# Allegro board 9823-layout.brd (continued)
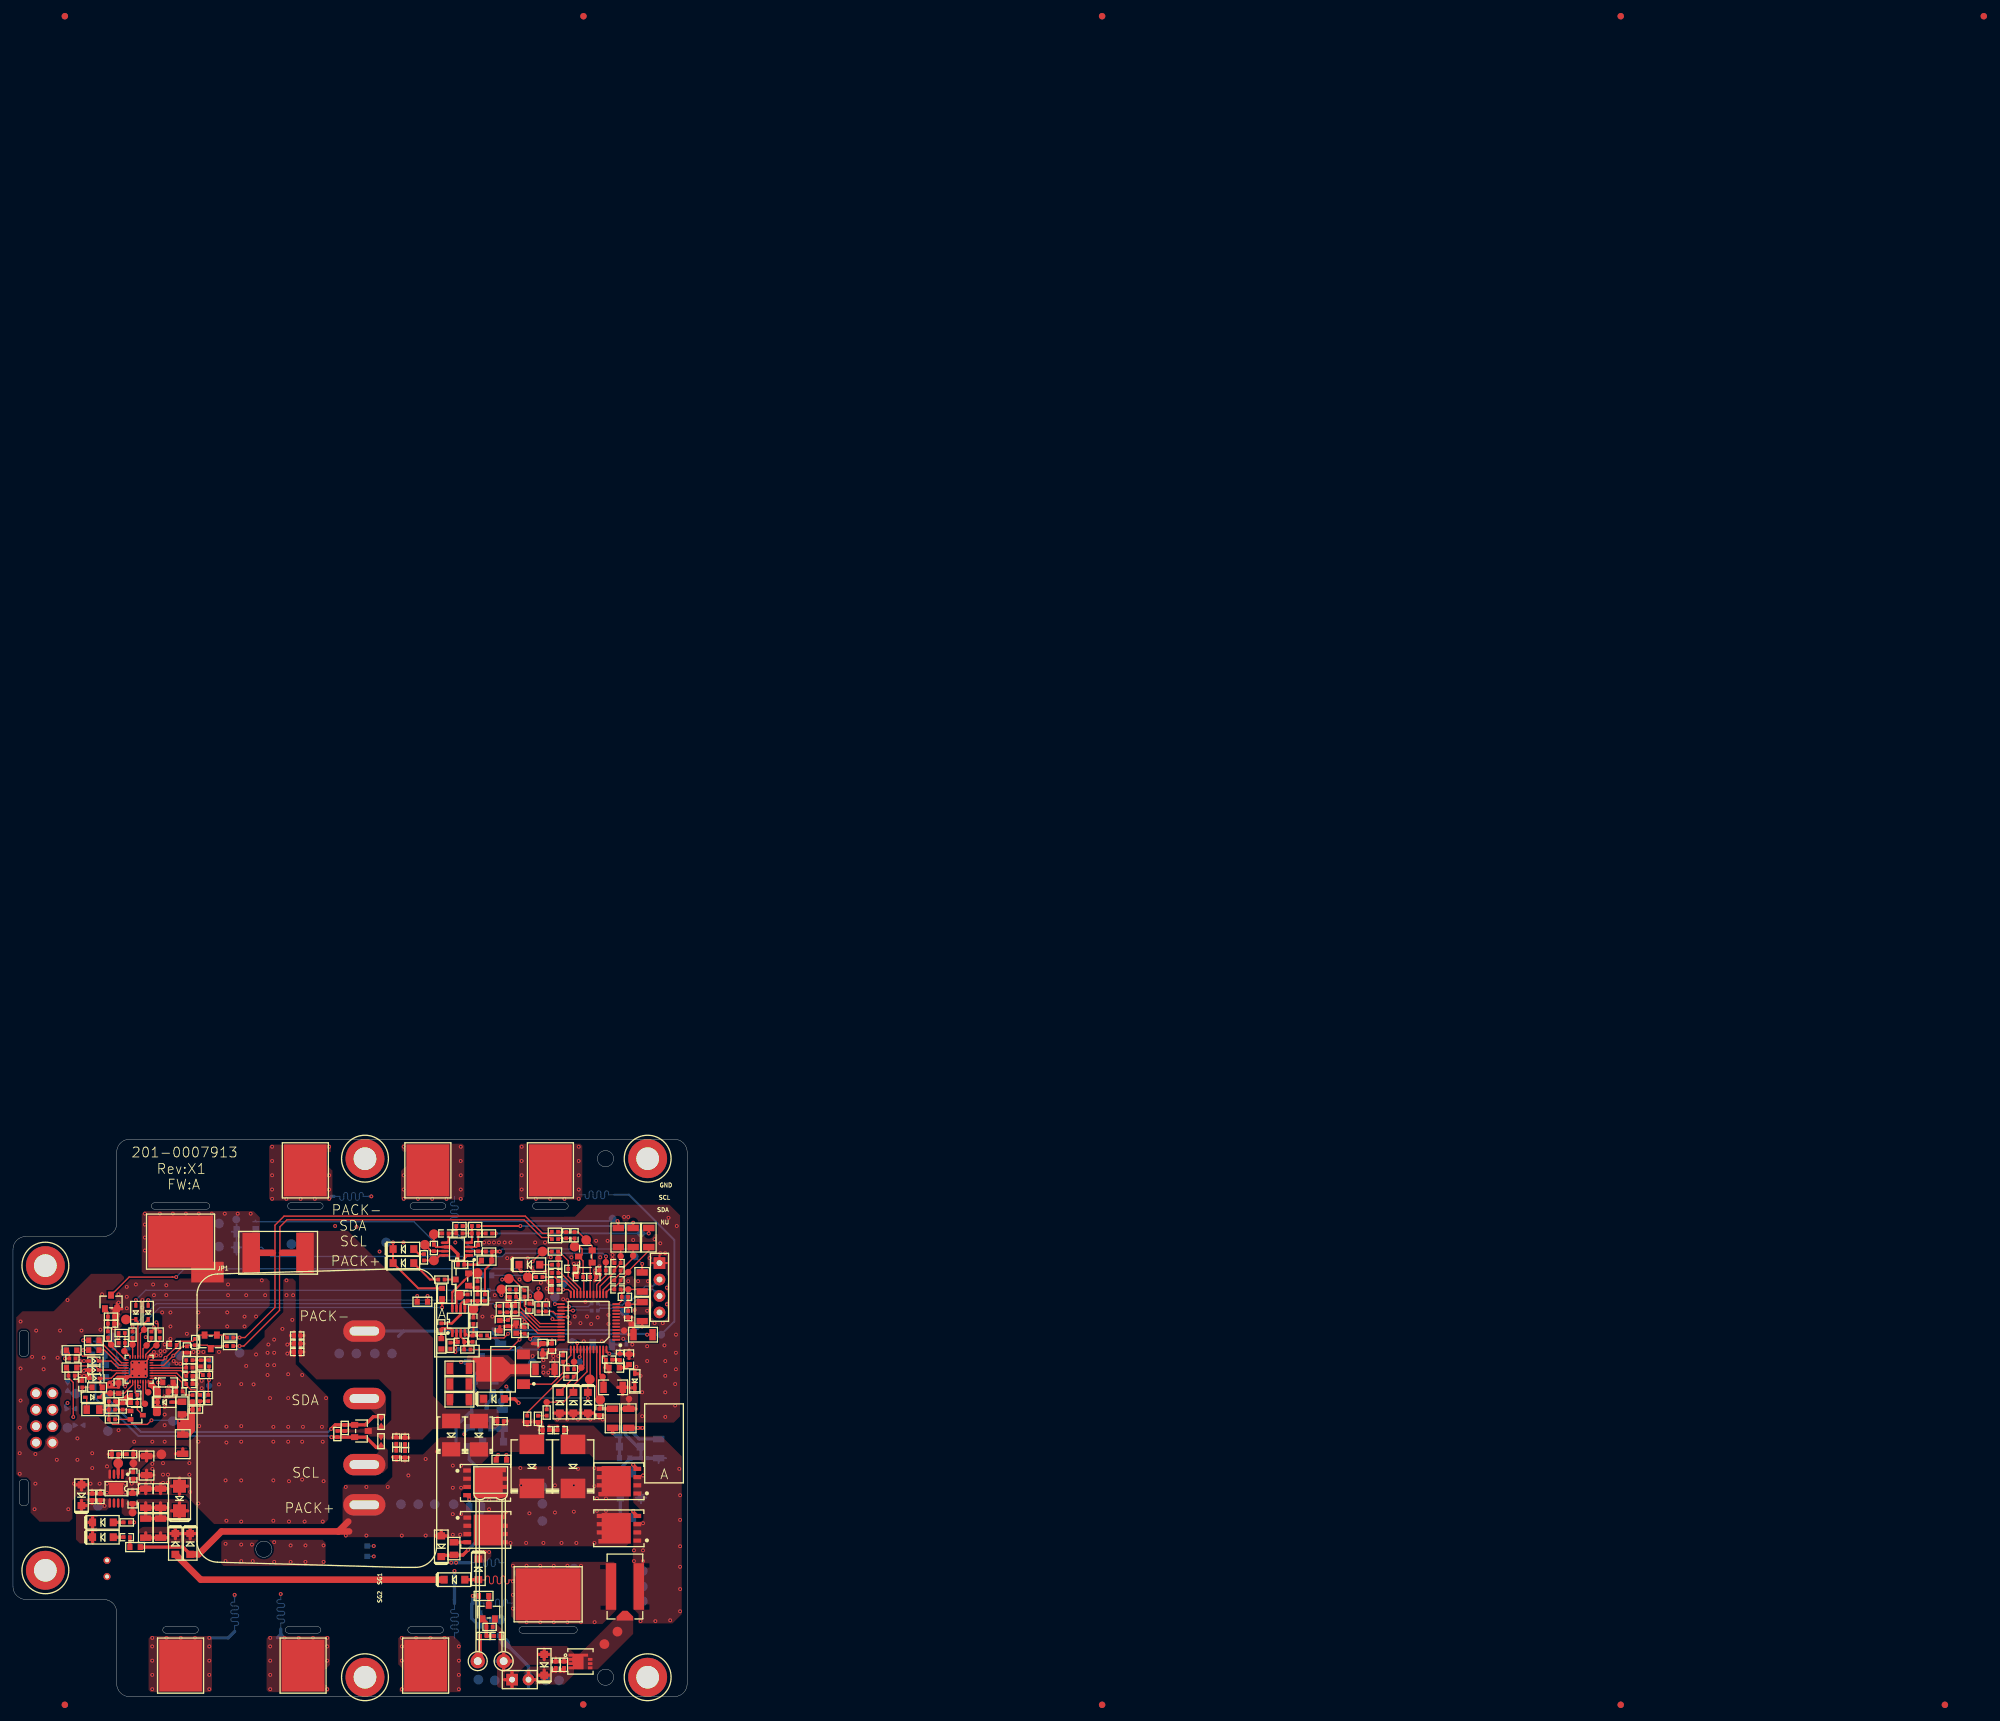
[diagram p0: board, top side]
## Routing (per net, layer and track width the routed paths; a pad name or vN(x,y) marks a point on that pad's centre or on a via; arc(x,y) is an arc through that point) (continued)
CHG_CTRL: length 11.4
  TOP w0.2: U1.45 90.04,46.35 TA7.1
  TOP w0.5: R86.2 91.31,44.42 91.3,44.42 C76.1 90.58,44.55 TA7.1
DSG_CTRL: length 24.1
  TOP w0.2: v1(88.68,46.07) D6.K 88.68,48.66 TA8.1 89.04,49.02 U1.43
  BOTTOM w0.2: 75.35,45.57 75.85,46.07 v1(88.68,46.07)
  BOTTOM w0.5: C79.1 75.35,45.57 TA33.1 75.35,45.55 75.35,44.41 R89.2
MCU_CHG_CTRL: length 54.9
  TOP w0.2: D50.A v1(18.95,61.18)
  BOTTOM w0.2: R31.2 20.48,62.71 v1(18.95,61.18)
MCU_DSG_CTRL: length 52.5
  TOP w0.2: D51.A v1(20.86,61.18)
  BOTTOM w0.2: v1(20.86,61.18) 72.29,61.18 R28.2
PACK+: length 64.3
  TOP w0.5: 79.33,41.85 R2.2 ; R2.2 79.88,42.39 ; R2.2 78.77,42.39 ; C59.2 81.71,41.67 ; C59.2 81.17,41.12 ; C59.2 81.71,40.56 ; D27.A 66.07,25.61 ; D27.A 65.22,24.81 ; D27.A 66.92,24.81 ; 76.24,42.51 R29.2 75.7,41.96 ; 60.47,36.37 C60.1 ; C60.1 59.92,36.91 ; C60.1 61.03,36.91 ; 80.43,42.39 R1.2 ; R1.2 81.53,42.39 ; R1.2 80.98,41.85 ; R118.1 26.22,23.08 D42.A ; 58.57,36.97 C61.1 ; C61.1 59.68,36.97 ; C61.1 59.13,36.43
  TOP w1: D42.A 28.63,21.96 32.16,25.49 50.2,25.49 ; 50.2,25.49 51.72,27.02 ; 50.2,25.49 51.85,25.49
  BOTTOM w0.5: R61.2 72.68,51.12 Q12.S 71.16,49.6 D20.A 71.16,46.71 R62.2 70.75,46.3 R70.2 70.4,43.8 68.36,41.75 68.36,38.96 ; 68.36,38.58 68.36,38.96 ; 68.36,38.96 67.72,38.32
  vias: v1(51.34,32.35) v1(51.34,24.86) v1(54.51,32.35) v1(54.51,24.86) v1(57.82,32.35) v1(59.97,24.86) v1(60.99,34.13) v1(63.66,36.67) v1(63.66,24.86) v1(65.44,37.81) v1(67.85,35.65) v1(67.85,32.23) v1(67.85,28.16) v1(67.85,24.99) v1(68.99,24.99) v1(69.12,35.65) v1(69.12,32.23) v1(69.12,28.16)
PBI: length 26.6
  TOP w0.2: U5.1 22.64,49.11 23.11,48.65 C84.2 v1(22.38,48.48)
  TOP w0.5: R111.1 v1(18.7,26.89)
  L3 w0.2: v1(18.7,26.89) 22.38,30.57 v1(22.38,48.48)
REG1: length 8.6
  TOP w0.2: U1.35 80.17,55.56 v1(79.79,55.18) 78.97,56 C14.1 78.86,56.06 C13.1
  BOTTOM w0.5: v1(79.79,55.18) 80.14,54.83 TP3.1
REG2: length 11.9
  TOP w0.2: C17.1 76.29,58.04 C18.1 76.37,58.11 76.87,58.61 78.42,58.61 79.02,58.01 ; 79.02,58.01 80.97,56.06 U1.34 ; 79.02,58.01 v1(78.9,57.88)
  BOTTOM w0.3: v1(78.9,57.88) TP4.1
REGIN: length 6.2
  TOP w0.2: 81.7,54.47 C9.1
  TOP w0.3: 81,53.85 C9.1
  TOP w0.5: 82.6,54.47 C10.1 ; C10.1 83.15,55.01 ; C10.1 83.15,54.47 C9.1 80.11,54.47
  BOTTOM w0.5: v1(80.17,52.55) 80.17,52.55 TP99.1
RS1_PIN1: length 116.1
  TOP w0.2: R130.1 v1(34.96,55.41) 35.78,55.41 40.42,60.04 40.42,68.15 40.09,68.48 40.42,68.8 40.42,72.74 41.81,74.14 79.02,74.14 81.69,71.47 82.85,71.47 R59.1
  TOP w0.3: TP57.1 v1(64.93,70.2) C74.2 65.25,69.38 U3.6
  TOP w0.5: C72.2 68.63,68.27 67.52,69.38 U3.6 ; C78.1 65.05,71.47 TP57.1
  TOP w1: RS1.2 40.09,68.48
  BOTTOM w0.2: 37.37,73.5 37.59,73.27 ; 37.59,73.27 61.85,73.27 v1(64.93,70.2) ; 37.59,73.27 36.99,73.27
  BOTTOM w0.3: 34.5,70.6 R58.1 ; R58.1 34.5,72.85 ; R58.1 35.25,71.72 ; R58.1 33.75,71.72 ; R56.1 34.5,70.44 ; R56.1 35.25,69.31 ; R56.1 34.5,68.18 ; R56.1 33.75,69.31
  BOTTOM w0.5: v1(34.96,55.41) TP85.1
  vias: v1(20.35,74.52) v1(20.35,72.83) v1(20.35,70.83) v1(20.35,68.83) v1(22.67,74.52) v1(24.67,74.52) v1(26.67,74.52) v1(28.67,74.52) v1(30.67,74.52) v1(32.67,74.52) v1(34.67,74.52) v1(36.67,74.52)
RS1_PIN2: length 97.8
  TOP w0.2: R60.1 82.87,70.83 81.56,70.83 78.84,73.56 42.26,73.56 41.18,72.48 41.18,68.8 41.5,68.48 41.12,68.09 41.12,59.6 35.61,54.09 v1(34.96,54.09) R131.1
  TOP w0.3: 51.73,40.97 R47.1 51.73,41.23
  TOP w0.5: C64.2 61.03,39.96 ; C64.2 59.92,39.96 ; C64.2 60.47,40.5 ; C65.2 59.68,39.99 ; C65.2 58.57,39.99 ; C65.2 59.13,40.53 ; 44.33,53.92 C100.1 ; C100.1 44.87,54.47 ; C100.1 44.33,55.03 ; 44.33,55.17 C101.1 ; C101.1 44.33,56.27 ; C101.1 44.87,55.72 ; 74.19,42.51 R29.1 ; R29.1 74.73,43.06 ; R29.1 74.73,41.96 ; 44.33,52.63 C106.1 ; C106.1 44.33,53.73 ; C106.1 44.87,53.18 ; R45.1 51.14,41.01 R47.1
  TOP w1: RS1.1 41.5,68.48
  BOTTOM w0.5: 57.56,56.4 60.27,56.4 ; 60.27,56.4 71.16,56.4 D31.A ; 60.27,56.4 59.47,55.59 ; TP86.1 v1(34.96,54.09)
SCL_BQ769142: length 102
  TOP w0.2: R132.1 22.38,56.59 22.38,57.5 v1(22.13,57.75)
  L3 w0.2: v1(22.13,57.75) 22.26,57.75 23.02,58.51 33.81,58.51 49.18,73.88 75.47,73.88 86.01,63.34 98.71,63.34 J2.2
  BOTTOM w0.2: J2.2 98.71,63.34 97.57,63.34 95.56,61.33 TP98.1 94.79,61.2 94.01,60.42 90.49,60.42 R40.2
SDA_BQ769142: length 102.1
  TOP w0.2: v1(21.75,56.99) 21.75,56.71 R133.1
  L3 w0.2: v1(21.75,56.99) 22.26,56.99 23.24,57.98 34.04,57.98 49.4,73.34 75.25,73.34 85.88,62.71 98.84,62.71 J2.3
  BOTTOM w0.2: J2.3 98.71,62.83 97.83,62.83 TP97.1 93.83,59.91 90.57,59.91 R38.2
SMBC: length 50.4
  TOP w0.5: v1(49.12,40.03) 49.12,40.04 R45.2 D15.K2 54.45,40.04 56.04,38.45 56.55,38.45
  BOTTOM w0.3: v1(49.12,40.03) 48.93,40.23 19.33,40.23 15.48,44.08 TP73.1 12.73,46 12.73,48.78 R121.1
SMBD: length 49.3
  TOP w0.5: 56.8,43.15 56.75,43.2 55.58,43.2 54.32,41.94 D15.K1 R47.2 49.71,41.94 v1(49.08,41.3)
  BOTTOM w0.3: v1(49.08,41.3) 48.62,40.84 19.73,40.84 14.95,45.62 14.92,45.62 TP74.1 13.62,46.92 13.62,48.76 R123.1
VCELL+: length 2.1
  TOP w0.5: D39.A D2.A
WAKEUP_AFE: length 66.3
  TOP w0.2: v1(78.39,65.63) 78.06,65.96 D17.K ; Q19.D 17.92,64.74 24.58,64.74 24.58,64.74 v1(25.18,64.74)
  BOTTOM w0.2: v1(25.18,64.74) 26.45,66.01 78.01,66.01 v1(78.39,65.63)
N26278: length 1.3
  TOP w0.2: R1.1 R3.2
N26282: length 9
  TOP w0.2: R2.1 79.33,43.83 84.87,49.37 R4.2
N26506: length 13.3
  TOP w0.2: U1.42 88.54,50.13 86.45,48.03 D3.K 84.93,45.43 TA4.1 R3.1
N26510: length 8.1
  TOP w0.2: D4.K 84.36,47.08 86.49,49.22 R4.1 87.66,50.54 TA5.1 88.04,51.15 U1.41
N26518: length 36.2
  TOP w0.5: v1(97.09,41.47) v1(96.39,41.47) R7.1
  L3 w0.5: v1(96.39,41.47) 96.24,41.62 91.44,41.62 73.36,23.54 73.36,23.38 ; v1(71.53,22.32) 72.29,22.32 73.36,23.38 ; 73.36,23.38 73.36,22.4 v1(73.44,22.32)
  vias: v1(72.17,22.32) v1(72.8,22.32)
N26522: length 11.9
  TOP w0.3: U1.47 91.04,52.42 C3.1
  TOP w0.5: R7.2 94.98,45.17 ; R7.2 96.11,44.42 ; R7.2 93.86,44.42 ; 95.41,47.65 D5.K ; D5.K 95.92,47.03 ; D5.K 95.92,48.27 ; 94.04,46.6 C1.1 ; C1.1 93.29,47.72 ; C1.1 94.79,47.72 ; C2.1 91.46,51.25 C3.1 ; C2.1 91.29,50.77 ; C2.1 91.94,50.07
N26558: length 6.1
  TOP w0.3: C1.2 91.09,49.2 TA2.1 90.54,49.75 U1.46
N26710: length 1.7
  TOP w0.5: 95.03,51.24 94.56,50.77 C2.2
N26714: length 1.2
  TOP w0.5: C5.1 93.57,52 C3.2
N26932: length 3.1
  TOP w0.2: R9.2 TA11.1 U1.38
N27190: length 2
  TOP w0.2: v1(87.41,52.42) 87.54,52.55 U1.40
  BOTTOM w0.5: TA9.1 v1(87.41,52.42)
N27202: length 11
  TOP w0.2: Q1.B 83.07,48.21 84.87,50.01 R11.2 85.06,51.68 86.04,52.66 U1.37
N27560: length 4.6
  TOP w0.5: 95.71,56.97 R21.2 94.96,55.85 ; 94.35,58.54 C31.1 ; C31.1 94.9,58 ; C31.1 95.45,58.54
  BOTTOM w0.3: C15.2 94.62,54.73 v1(94.14,55.21)
N27850: length 5.1
  TOP w0.2: v1(91.98,52.93) 91.54,53.36 U1.48
  BOTTOM w0.3: R15.2 C15.1 93.65,52.95 TA6.1 v1(91.98,52.93)
N28356: length 11.3
  TOP w0.2: R19.1 C21.2 v1(76.87,59.3) R20.2 78.37,59.3 81.1,56.56 U1.33
  BOTTOM w0.3: v1(76.87,59.3) TA14.1
N28912: length 8.5
  TOP w0.2: R25.2 78.9,60.29 79.51,59.68 C25.1 79.66,59.21 81.3,57.56 U1.31
N28920: length 17.7
  TOP w0.2: v1(75.47,64.36) 75.6,64.48 TP7.1 77.09,64.48 78.89,62.68 R25.1 ; NTC4.2 v1(63.95,61.82)
  L3 w0.2: v1(63.95,61.82) 66.49,64.36 v1(75.47,64.36)
N29078: length 6.5
  TOP w0.2: U1.11 94.39,60.06 TA20.1 ; TA20.1 C34.1 ; TA20.1 96.73,60.55 R26.2 ; TA20.1 94.9,60.52 C31.2
N29246: length 12.6
  TOP w0.2: v1(83.22,58.26) 83.41,58.06 U1.30
  BOTTOM w0.2: R28.1 73.56,61.18 TA16.1 80.55,61.18 83.22,58.51 v1(83.22,58.26)
N29258:
  vias: v1(78.47,84.84) v1(78.47,82.64) v1(78.47,80.44) v1(78.47,78.24) v1(78.47,76.8) v1(80.67,76.8) v1(82.87,76.8) v1(85.07,76.8) v1(87.27,84.84) v1(87.27,82.64) v1(87.27,80.44) v1(87.27,78.24) v1(87.27,76.8)
N29414:
  vias: v1(59.98,9.07) v1(59.98,7.76) v1(59.98,5.56) v1(59.98,1.16) v1(62.18,9.07) v1(64.38,9.07) v1(66.58,9.07) v1(68.78,7.76) v1(68.78,5.56) v1(68.78,3.36) v1(68.78,1.16)
N29510: length 14.9
  TOP w0.2: U1.29 v1(85.58,58.56)
  BOTTOM w0.2: v1(85.58,58.56) TA17.1 83.93,58.56 79.79,62.71 R31.1
N29624:
  vias: v1(60.27,84.84) v1(60.27,80.44) v1(60.27,78.24) v1(60.27,76.8) v1(62.47,76.8) v1(64.67,76.8) v1(66.87,76.8) v1(69.07,84.84) v1(69.07,82.64) v1(69.07,80.44) v1(69.07,78.24) v1(69.07,76.8)
N29754: length 6.4
  TOP w0.2: R32.2 96.73,62.83 TA22.1 C38.1 93.91,62.66 C34.2 93.91,61.08 93.39,60.56 U1.12
N29830: length 3.6
  TOP w0.2: U1.28 83.68,59.06 83.32,59.43 C29.1 R33.2
N29838: length 61.7
  TOP w0.2: v1(81.06,62.96) TP14.1 R33.1
  L3 w0.2: v1(55.66,23.25) 61.75,29.34 61.75,57.12 67.59,62.96 v1(81.06,62.96)
  BOTTOM w0.2: NTC3.2 v1(55.66,23.25)
N29862: length 2.3
  BOTTOM w0.5: FCT6.1 41.31,9.62 ; 41.31,9.62 41.81,9.11 ; 41.31,9.62 40.8,9.11
  vias: v1(39.68,9.07) v1(39.68,7.76) v1(39.68,5.56) v1(39.68,3.36) v1(39.68,1.16) v1(41.88,9.07) v1(44.08,9.07) v1(46.28,9.07) v1(48.48,9.07) v1(48.48,7.76) v1(48.48,5.56) v1(48.48,1.16)
N30134: length 0.9
  BOTTOM w0.5: FCT7.1 49.15,77.18 v1(48.77,76.8)
  vias: v1(39.97,84.84) v1(39.97,82.64) v1(39.97,80.44) v1(39.97,78.24) v1(39.97,76.8) v1(42.17,76.8) v1(44.37,76.8) v1(46.57,76.8) v1(48.77,84.84) v1(48.77,80.44) v1(48.77,78.24)
N30222: length 4.8
  TOP w0.2: U1.27 v1(86.39,59.56)
  BOTTOM w0.2: v1(86.39,59.56) 86.48,59.66 89.16,59.66 R38.1
N30324: length 4.3
  BOTTOM w0.5: FCT8.1 33.2,9.07 v1(30.28,9.07)
  vias: v1(21.48,9.07) v1(21.48,7.76) v1(21.48,5.56) v1(21.48,3.36) v1(21.48,1.16) v1(23.68,9.07) v1(25.88,9.07) v1(28.08,9.07) v1(30.28,7.76) v1(30.28,5.56) v1(30.28,3.36) v1(30.28,1.16)
N30528: length 5
  TOP w0.2: v1(85.76,60.17) 85.65,60.06 U1.26
  BOTTOM w0.2: v1(85.76,60.17) 88.74,60.17 R40.1
N30610: length 10.5
  TOP w0.2: U1.13 91.54,62.4 91.98,62.83 C38.2 92.76,63.11 93.73,64.08 C40.1 93.73,64.24 94.9,65.41 TA23.1 94.9,65.63 98.07,68.8 R41.2
N30796: length 2.1
  TOP w0.2: U1.25 v1(83.6,60.56)
  BOTTOM w0.5: TP21.1 v1(83.6,60.56)
N31094: length 9.4
  TOP w0.2: U1.14 91.04,62.79 92.49,64.23 C40.2 92.76,64.38 93.73,65.35 C46.1 95.66,67.68 TA26.1 R46.2
N31098: length 8.8
  TOP w0.2: U1.15 90.54,63.3 92.76,65.52 C46.2 92.76,65.88 93.73,66.85 C51.1 TA29.1 93.73,69 R51.2
N31102: length 61.5
  TOP w0.2: U1.16 90.04,63.56 91.45,64.97 C56.1 TA30.1 91.45,67.89 v1(91.47,67.91)
  BOTTOM w0.2: R56.2 38.38,69.31 39.78,67.91 75.47,67.91 75.98,68.42 90.96,68.42 v1(91.47,67.91)
N31110: length 13.8
  TOP w0.2: U1.18 89.04,64.75 C54.1 89.04,66.66 D16.A D16.K2 89.35,69.53 TA27.1 87.2,71.67 C48.1 C47.1 84.13,71.67 R59.2
N31114: length 13
  TOP w0.2: U1.20 88.04,64.63 C55.1 87.94,67.21 D16.K1 87.53,67.91 87.79,68.17 87.79,69.06 87.28,69.56 86.77,69.56 TA28.1 86.62,69.46 C48.2 C47.2 84.21,70.7 R60.2
N31118: length 8.1
  TOP w0.2: U1.21 87.54,62.96 85.65,64.86 C43.1 85.65,67.25 84.23,68.67 R50.2
N31122: length 7
  TOP w0.2: TP30.1 R57.1 84.12,66.64 C57.1 84.49,65.37 87.04,62.82 U1.22
N31126: length 6.4
  TOP w0.2: U1.23 86.54,62.68 85.12,64.1 C49.1 84.12,64.21 83.6,64.74 R53.2
N31130: length 3.5
  TOP w0.2: C41.1 v1(84.87,62.81) 85.65,62.81 86.04,62.42 U1.24
  BOTTOM w0.5: TP96.1 v1(84.87,62.81)
N32000: length 116.8
  TOP w0.2: v1(80.17,67.15) TP26.1 R50.1
  L3 w0.2: v1(80.17,67.15) 79.82,66.81 55.31,66.81 43.85,55.34 43.85,16.1 42.19,14.45 22.38,14.45 15.8,21.03 NTC1.1
N32096: length 7.8
  TOP w0.2: v1(79.41,65.5) TP25.1 R53.1
  BOTTOM w0.2: NTC2.2 78.9,64.99 v1(79.41,65.5)
N32774: length 1.9
  TOP w0.2: R57.2 D17.A
N40957: length 8.6
  TOP w0.5: 84.97,40.56 C58.1 ; C58.1 85.51,41.12 ; C58.1 84.97,41.67
  BOTTOM w0.3: D30.A 97.68,30.7 ; D30.A 96.88,29.85 ; D30.A 96.08,30.7 ; D30.A 96.88,31.55 ; 100.72,36.8 R65.2 99.6,36.05
  BOTTOM w0.5: R65.2 R67.2
  vias: v1(95.79,22.57) v1(95.79,20.92) v1(96.8,11.65) v1(97.19,34.13) v1(97.19,26.76) v1(97.19,22.57) v1(97.19,20.92) v1(99.09,11.65) v1(101.38,11.78) v1(102.77,35.15) v1(102.9,31.08) v1(102.9,27.27) v1(102.9,23.21) v1(102.9,20.03) v1(102.9,16.6) v1(102.9,13.18)
N40965: length 2.2
  TOP w0.5: 84,41.67 C58.2 83.46,41.12 ; 83.23,41.12 C59.1 82.68,41.67
N41955: length 1.1
  TOP w0.5: C60.2 C64.1
N41959: length 1.1
  TOP w0.5: C61.2 C65.1
N42143: length 6.5
  BOTTOM w0.5: Q12.G 72.71,52.09 R61.1 74.63,52.09 R68.2 75.21,49.59 D20.K
N42187: length 5.4
  BOTTOM w0.5: R43.2 72.93,11.91 71.98,12.86 Q4.E R39.1
N42245: length 2.2
  BOTTOM w0.5: Q13.C 73.06,45.11 73.98,46.03 R62.1
N42321: length 17.9
  BOTTOM w0.5: R81.2 93.67,30.69 D30.K 93.67,30.71 TA31.1 R63.2 93.67,35.19 95.15,36.67 R80.1 R67.1 96.88,38.45 D32.K 96.32,38.58 94.47,40.43 94.47,40.75 93.7,41.51 Q15.E
N42329: length 2.2
  TOP w0.5: Q16.G 95.67,35.78 v1(95.66,35.78)
  BOTTOM w0.5: v1(95.66,35.78) 95.65,35.77 95.65,34.79 95.62,34.77 R63.1
N42333: length 2
  TOP w0.5: Q10.G 70.39,30.73 v1(70.39,30.45)
  BOTTOM w0.5: R64.2 v1(70.39,30.45)
N42337: length 30
  TOP w0.5: v1(70.21,22.65) 69.42,21.86 68.03,21.86 R82.1 67.96,21.81 66.27,21.81 D27.K
  BOTTOM w0.5: D35.K 72.25,39.34 ; 72.25,39.34 72.13,39.46 72.13,41.37 72.29,41.53 72.29,42.71 Q13.E R70.1 ; 72.25,39.34 72.25,39.16 71.71,38.62 R74.1 70.39,36.59 TA32.1 72.34,24.78 v1(70.21,22.65)
N42373: length 3.7
  TOP w0.4: U2.1 67.76,56.52 67.46,56.82 66.26,56.82 C66.1 R69.1
N42381: length 13.1
  TOP w0.3: C67.2 69.98,60.93 69.37,60.93 69.06,60.62 69.06,59.88
  TOP w0.4: R76.2 71.66,60.42 TP48.1 C71.2 ; R76.2 R79.1 ; R76.2 C67.2 ; 69.98,60.93 69.71,60.66 69.71,59.88 ; 69.06,59.88 69.06,58.97 67.7,57.6 C66.2
N42643: length 4.6
  BOTTOM w0.5: Q15.C 96.58,39.75 R65.1
N42693: length 9.2
  TOP w0.3: R71.1 TP45.1 71.59,65.31 Q14.E 70.3,64.9 69.6,64.21 69.6,64.21 69.4,64 69.4,64 68.44,63.04 68.41,63.04 67.76,62.4 67.76,62.37 67.76,62.37 67.76,59.88
N42821: length 14.1
  L3 w0.2: v1(69.12,51.62) 69.12,42.89 70.05,41.96 70.05,40.91 v1(69.63,40.48)
  BOTTOM w0.5: R74.2 69.63,40.81 v1(69.63,40.48) ; Q12.D v1(69.12,51.62)
N42825: length 2.2
  BOTTOM w0.5: R68.1 74.4,55.27 D31.K
N42905: length 2.7
  TOP w0.3: U2.2 68.41,54.97 C68.1 68.51,54.62 R72.2
N42909: length 3.6
  TOP w0.3: C67.1 68.97,62.05 TP46.1 68.41,61.49 68.41,59.88
N43001: length 2.5
  TOP w0.3: R76.1 R71.2 70.59,63.11 Q14.B
N43213: length 5.3
  BOTTOM w0.5: Q13.B 73.71,41.39 R73.2 73.75,41.34 R89.1 75.54,41.27 75.54,39.59 75.67,39.46 D35.A
N43313: length 5.5
  TOP w0.5: R86.1 92.48,40.74 v1(92.5,40.72)
  BOTTOM w0.5: v1(92.5,40.72) 93.01,40.21 Q15.B 93.57,38.59 D32.A R80.2
N43699: length 13.4
  TOP w0.3: R22.2 62.53,63 D28.K D34.K v1(58.63,70.07)
  BOTTOM w0.5: v1(58.63,70.07) TP6.1
N43835: length 4.8
  TOP w0.4: U3.1 70.05,68.08 69.6,67.64 C72.1 71.62,66.64 R84.1
N43947: length 2.1
  TOP w0.5: v1(95.66,28.67) 95.66,28.53 Q2.G
  BOTTOM w0.5: R81.1 95.62,28.63 v1(95.66,28.67)
N43951: length 2.1
  TOP w0.5: Q11.G R82.2
N44149: length 3.5
  TOP w0.3: R85.1 TP53.1 65.08,67.3 65.86,68.08 U3.8
N44153: length 1.9
  TOP w0.3: D34.A 62.61,68.27 R85.2
N44367: length 2.6
  TOP w0.3: R87.2 72.93,68.7 C75.1 70.39,68.7 U3.2
N44371: length 3.5
  TOP w0.3: U3.7 C74.1 64.51,68.73 TP56.1
N44503: length 4.5
  TOP w0.3: R90.2 C77.1 71.76,69.67 C75.2 71.47,69.38 U3.3
N44685: length 4.3
  TOP w0.3: R92.2 C77.2 ; C77.2 C80.1 ; C77.2 70.79,70.33 70.49,70.03 U3.4
N44693: length 4.2
  TOP w0.3: U3.5 66.92,70.03 67.19,70.3 C78.2 C80.2 R93.1
N44781: length 2
  TOP w0.2: R91.2 11.37,45.98 11.15,46.2
N44873: length 6.4
  TOP w0.2: U5.26 18.46,48.12 17.14,46.79 C81.1 TP59.1 13.92,46.79 D36.K
N44893: length 1.7
  BOTTOM w0.2: R94.2 16.03,53.24 D37.A
N44897: length 5.9
  TOP w0.2: U5.25 18.06,48.61 v1(17.3,47.85)
  BOTTOM w0.2: v1(17.3,47.85) TP58.1 17.3,49.77 R97.1 17.3,50.24 R95.1 R94.1
N45141: length 5.7
  TOP w0.2: Q3.C 19.18,44.27 R18.2 C82.2 18.86,46.9 U5.27
N45505: length 43.1
  TOP w1: D40.A 28.96,18.05 D39.K
N45509: length 11.5
  TOP w0.5: D42.K 28.19,25.16 ; D42.K 27.34,25.96 ; D42.K 27.34,24.36 ; D42.K 26.48,25.16 ; R104.1 23.89,24.53 ; R104.1 21.64,24.53 ; R104.1 22.76,25.28 ; 25.05,24.36 D40.K ; D40.K 24.2,25.16 ; D40.K 25.05,25.96 ; D40.K 25.9,25.16 ; 20.48,25.28 R101.1 21.6,24.53
N45529: length 18.3
  TOP w0.5: R104.2 22.76,28.23 ; R104.2 21.64,27.48 ; R104.2 23.89,27.48 ; 18.45,29.12 C87.1 ; C87.1 17.74,29.77 ; C87.1 19.15,29.77 ; C86.1 21.6,29.15 ; C86.1 20.48,28.4 ; C86.1 20.48,29.9 ; 22.76,28.4 C85.1 ; C85.1 23.89,29.15 ; C85.1 21.64,29.15 ; C85.1 22.76,29.9 ; 21.6,27.48 R101.2 20.48,28.23 ; 24.43,28.67 D41.K ; D41.K 25.68,27.42 ; D41.K 26.94,28.67 ; D41.K 25.68,29.93
N45573: length 8.4
  TOP w0.5: R105.2 19.09,37.41 ; R105.2 18.55,37.96 ; R105.2 18.55,36.85 ; 26.19,38.23 R102.1 25.07,37.48 ; C89.1 21.73,37.13 ; C89.1 19.48,37.13 ; C89.1 20.6,37.88 ; C89.1 20.6,36.38 ; 18.57,35.16 C90.1 18.02,34.62
N45621: length 1.6
  TOP w0.5: D38.A 26,45.43 R99.1
N45625: length 1.6
  TOP w0.5: 21.7,45.43 D38.K ; D38.K 22.31,44.93 ; D38.K 22.31,45.93
N45895: length 4.4
  TOP w0.5: U4.2 TA36.1 R112.2 R105.1
N45933: length 8.3
  TOP w0.2: U5.2 25.03,49.51 26.07,48.48 26.07,47.19 C96.1 26.72,46.53 R103.2
N46195: length 3.5
  TOP w0.2: R106.1 28.86,44.44 R107.1 v1(29.49,45.58) R108.2
  BOTTOM w0.2: TP66.1 v1(29.49,45.58)
N46199: length 9.1
  TOP w0.2: R107.2 28.07,47.34 27.46,47.34 26.72,48.08 C95.1 26.72,48.46 25.27,49.91 U5.3
N46407: length 6
  TOP w0.2: 13.78,47.72 13.42,48.09 D14.K 15.14,49.12 15.94,49.91 U5.22
N46431: length 1.6
  TOP w0.5: D44.A R111.2
N46435: length 11.8
  TOP w0.5: 11.47,26.89 D44.K ; D44.K 12.27,26.04 ; D44.K 12.27,27.74 ; 13.49,29.8 C91.1 ; C91.1 14.04,30.34 ; C91.1 12.94,30.34 ; D7.K 11.42,29.48 ; D7.K 10.57,28.68 ; D7.K 10.57,30.28 ; 11.67,30.34 R115.2 ; R115.2 12.22,29.8 ; R115.2 12.77,30.34 ; 11.47,24.61 D45.K ; D45.K 12.27,25.46 ; D45.K 12.27,23.75
  BOTTOM w0.5: TP95.1 v1(14.13,29.43)
N46493: length 5.3
  TOP w0.2: R113.2 R110.1 v1(30.26,48.86) 30.13,48.74 R108.1
  BOTTOM w0.2: TP68.1 v1(30.26,48.86)
N46501: length 8.8
  TOP w0.2: R110.2 28.77,50.14 27.21,50.14 26.72,49.65 C94.1 25.91,50.31 U5.4
N46611: length 8.1
  TOP w0.2: U5.21 15.22,50.31 15.14,50.39 D13.K 12.66,51.02 10.1,51.02 R24.1
N46707: length 3.3
  TOP w0.2: R113.1 v1(29.62,51.91) R119.2 R116.1
  BOTTOM w0.2: TP70.1 v1(29.62,51.91)
N46711: length 6.5
  TOP w0.2: U5.5 26.67,50.71 C93.2 R116.2
N46839: length 8.8
  TOP w0.2: U5.20 16.21,50.71 15.14,51.78 D10.K 12.53,52.55 10.74,52.55 R27.1
N46863: length 1.5
  TOP w0.5: C92.1 R118.2
N46867: length 1.6
  TOP w0.5: D45.A C92.2
N46971: length 14.6
  TOP w0.2: R130.2 32.64,55.79 D47.A D47.K2 28.7,55.79 28.11,55.19 C107.1 27.74,54.83 25.81,54.83 C109.1 25.25,54.01 v1(23.53,52.29) 23.15,51.91 U5.8
  BOTTOM w0.5: v1(23.53,52.29) TP72.1
N47039: length 5.3
  TOP w0.2: U5.19 16.45,51.11 14.11,53.46 R120.2
N47043: length 4.1
  TOP w0.2: v1(10.83,53.46) R120.1
  BOTTOM w0.3: v1(10.83,53.46) 11.49,53.46 D11.K2 12.22,52.69 R121.2
N47181: length 5.7
  TOP w0.2: U5.18 16.74,51.51 R122.2
N47185: length 6.6
  TOP w0.2: R122.1 v1(10.83,54.98)
  BOTTOM w0.3: R123.2 D11.K1 13.8,52.71 11.53,54.98 v1(10.83,54.98)
N47251: length 14.4